# Altium PCB ct_mainpcb.PcbDoc (part 1 of 3)
Units mil, origin at the board's own origin, x right, y up, seen from the top; angles counter-clockwise.
Board outline 3320.87 x 2230 mil, 4 copper layers (Component Side, Ground Plane, Power Plane, Solder Side), stack 33.156 mil thick; 163 components, 169 nets, 876 pads, 286 vias.
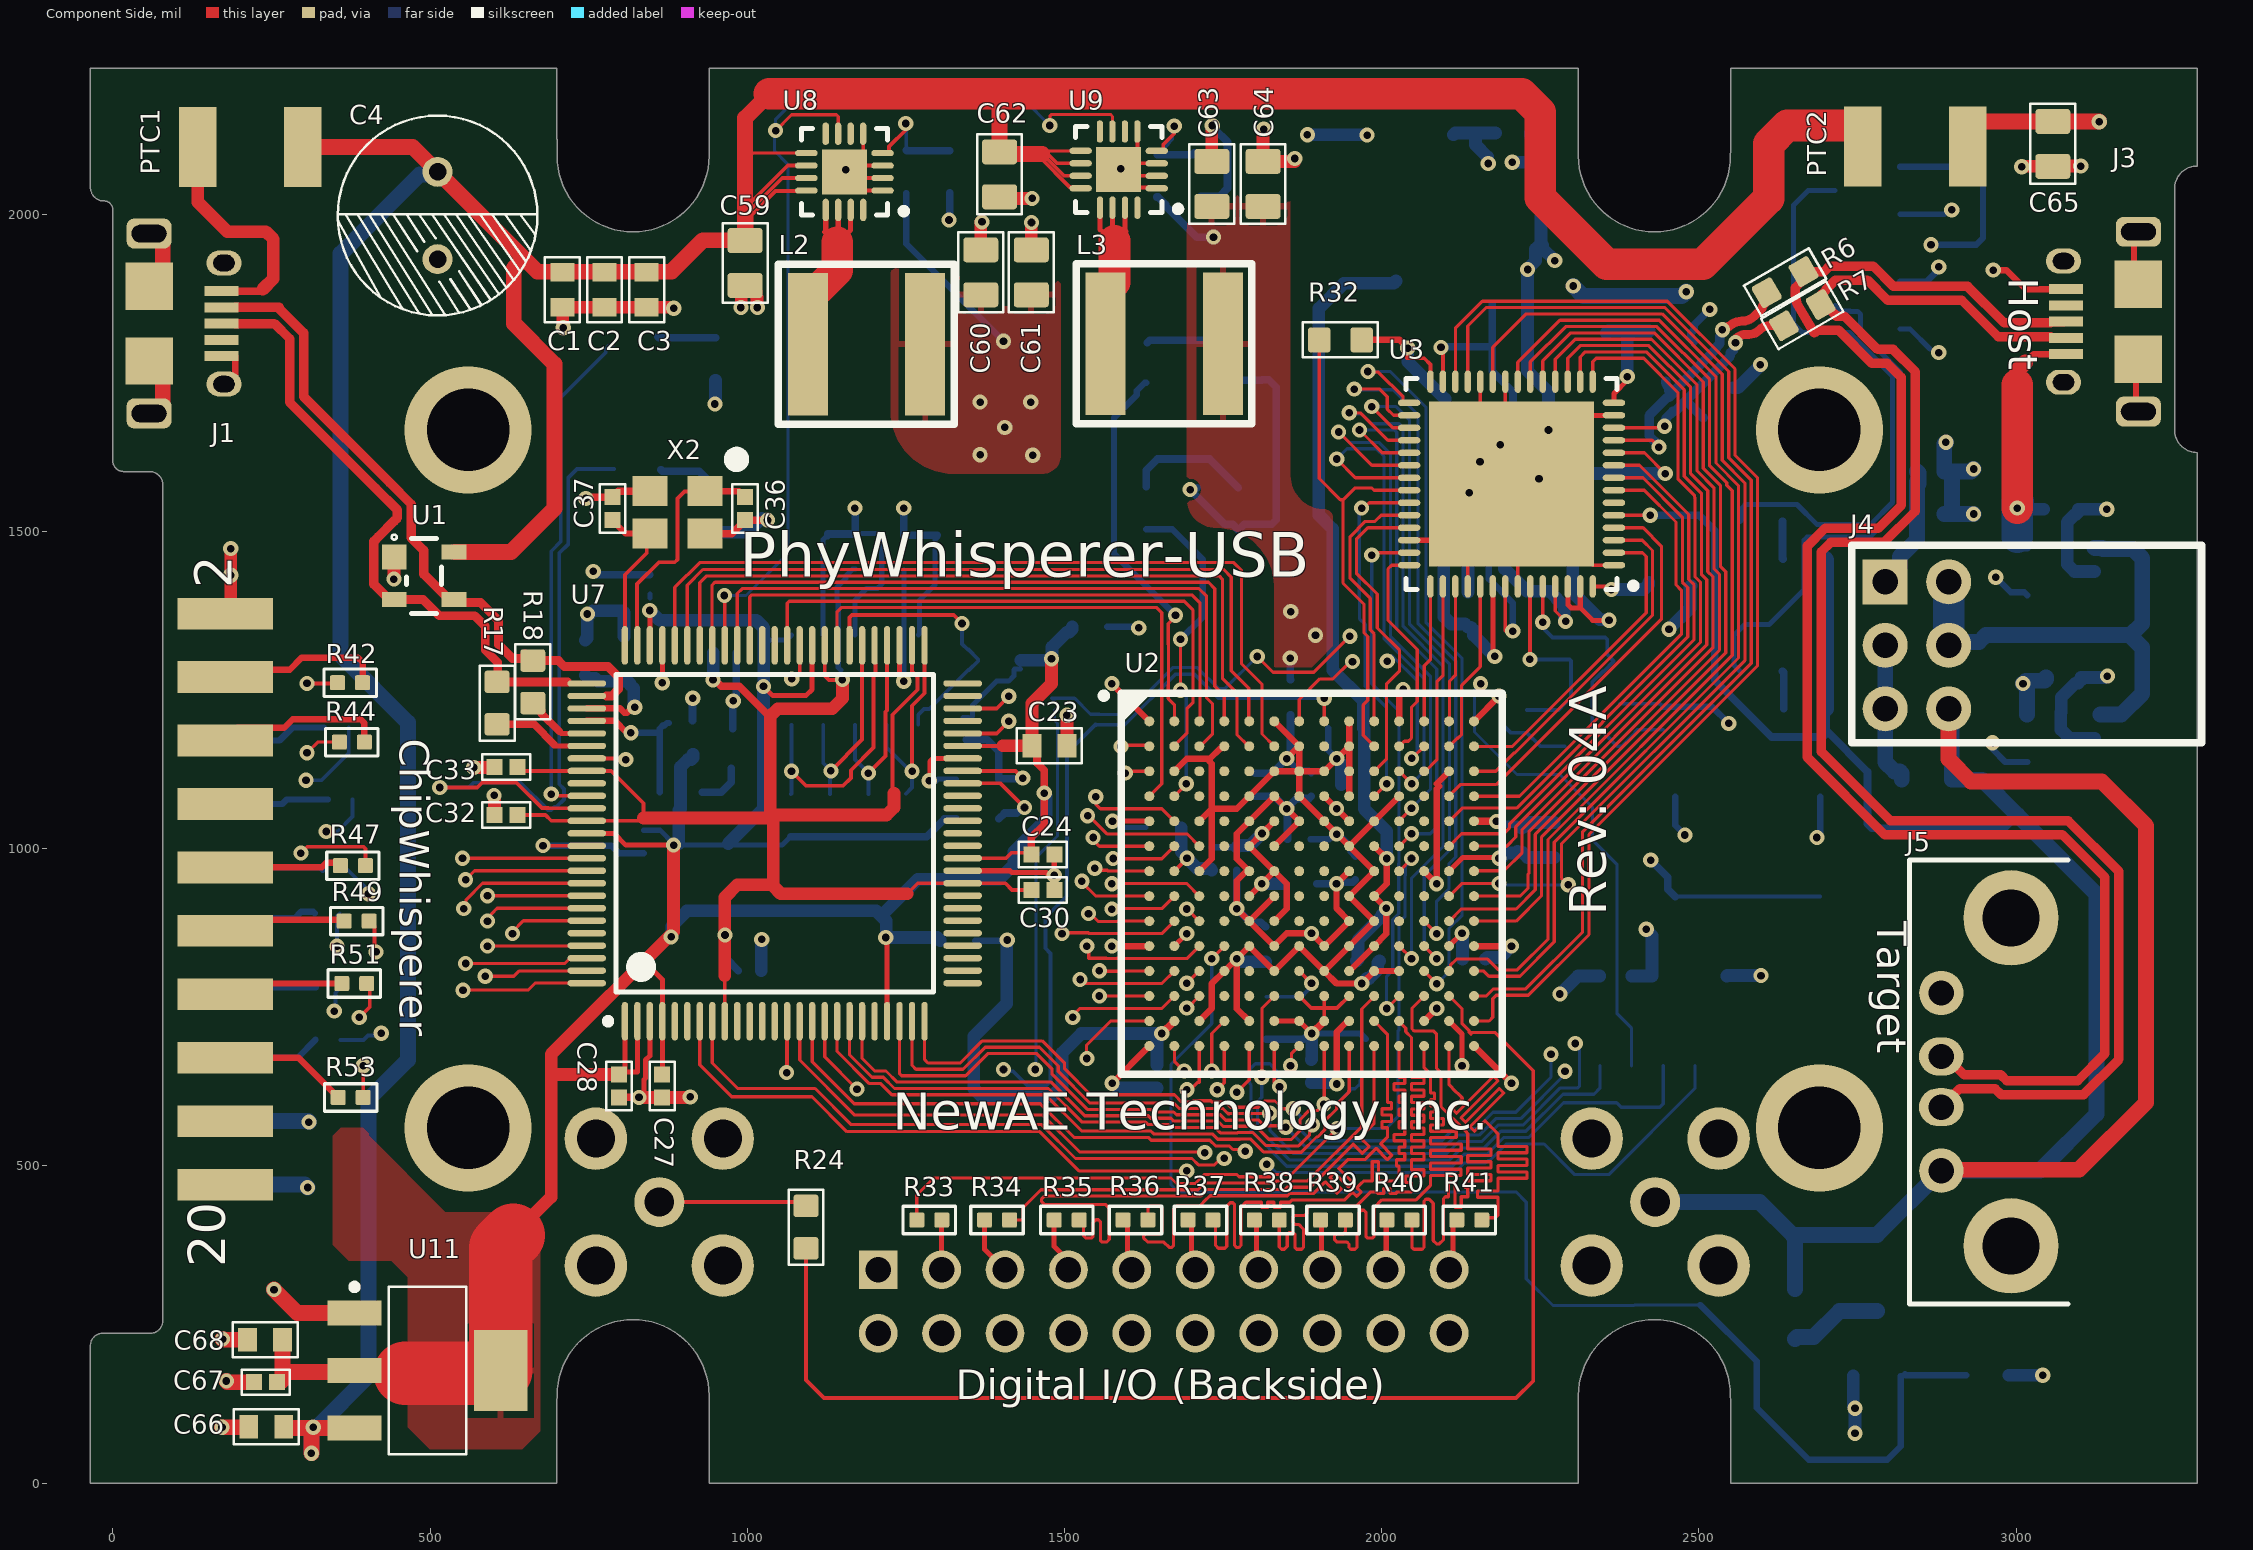
[diagram p0: Component Side view]
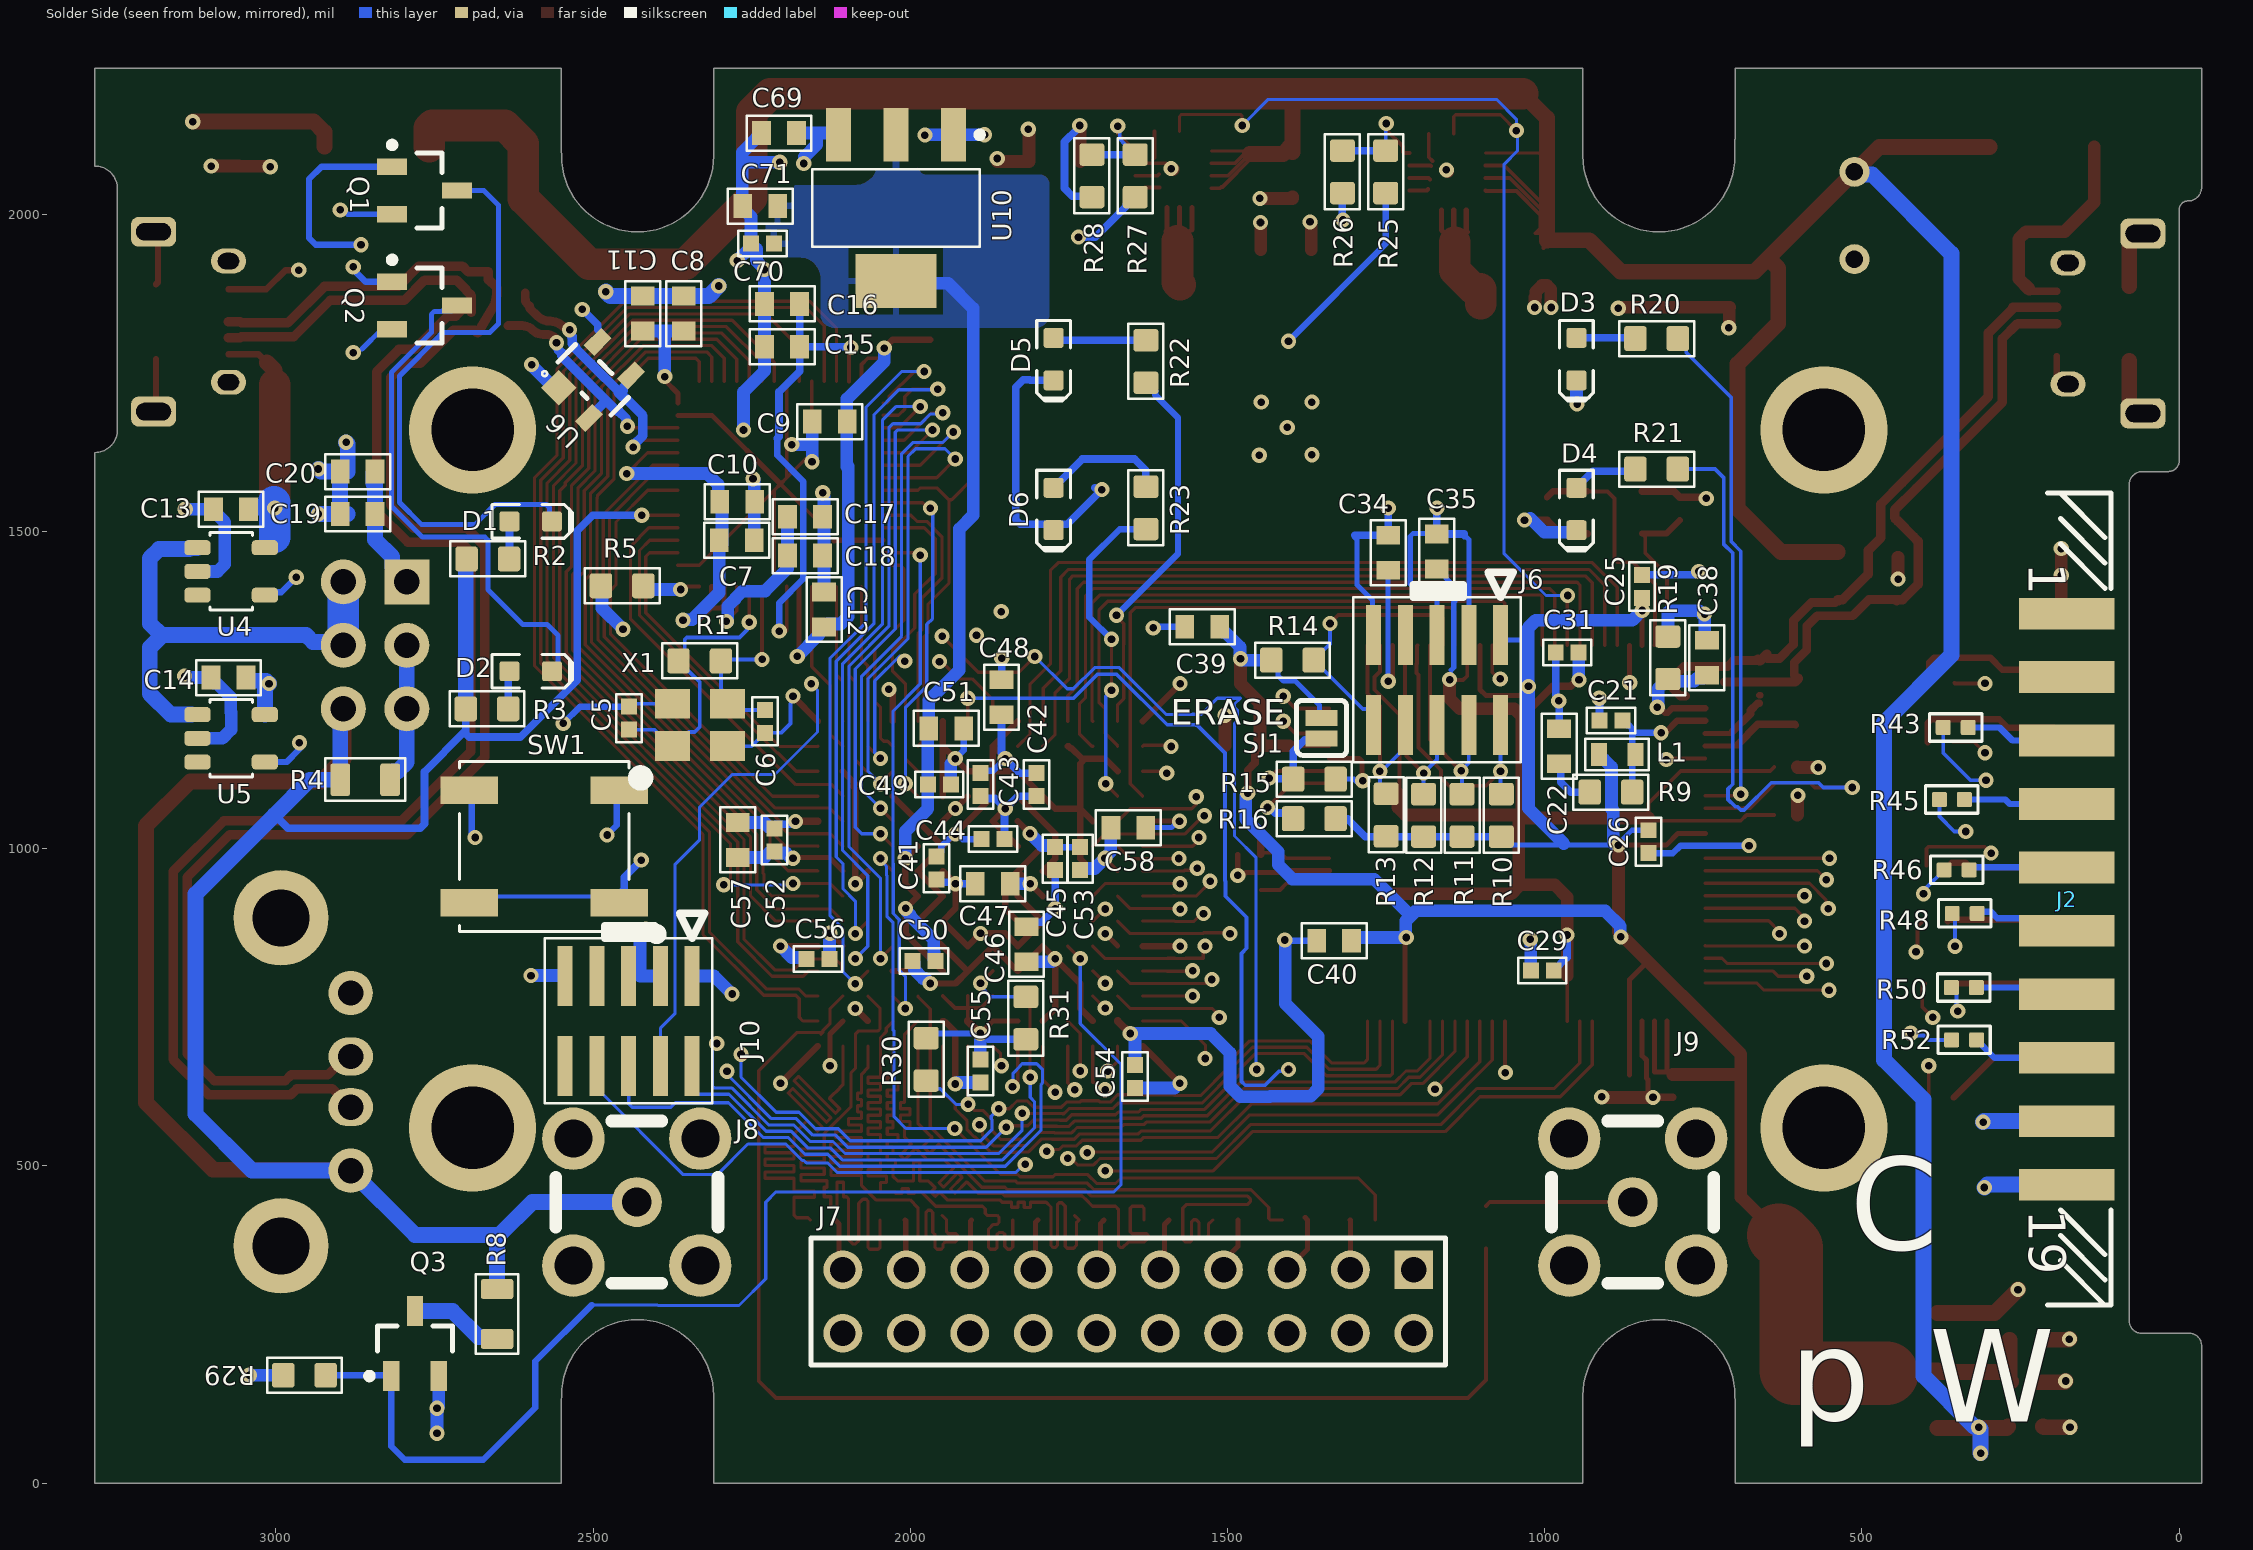
[diagram p1: Solder Side view, seen from below]
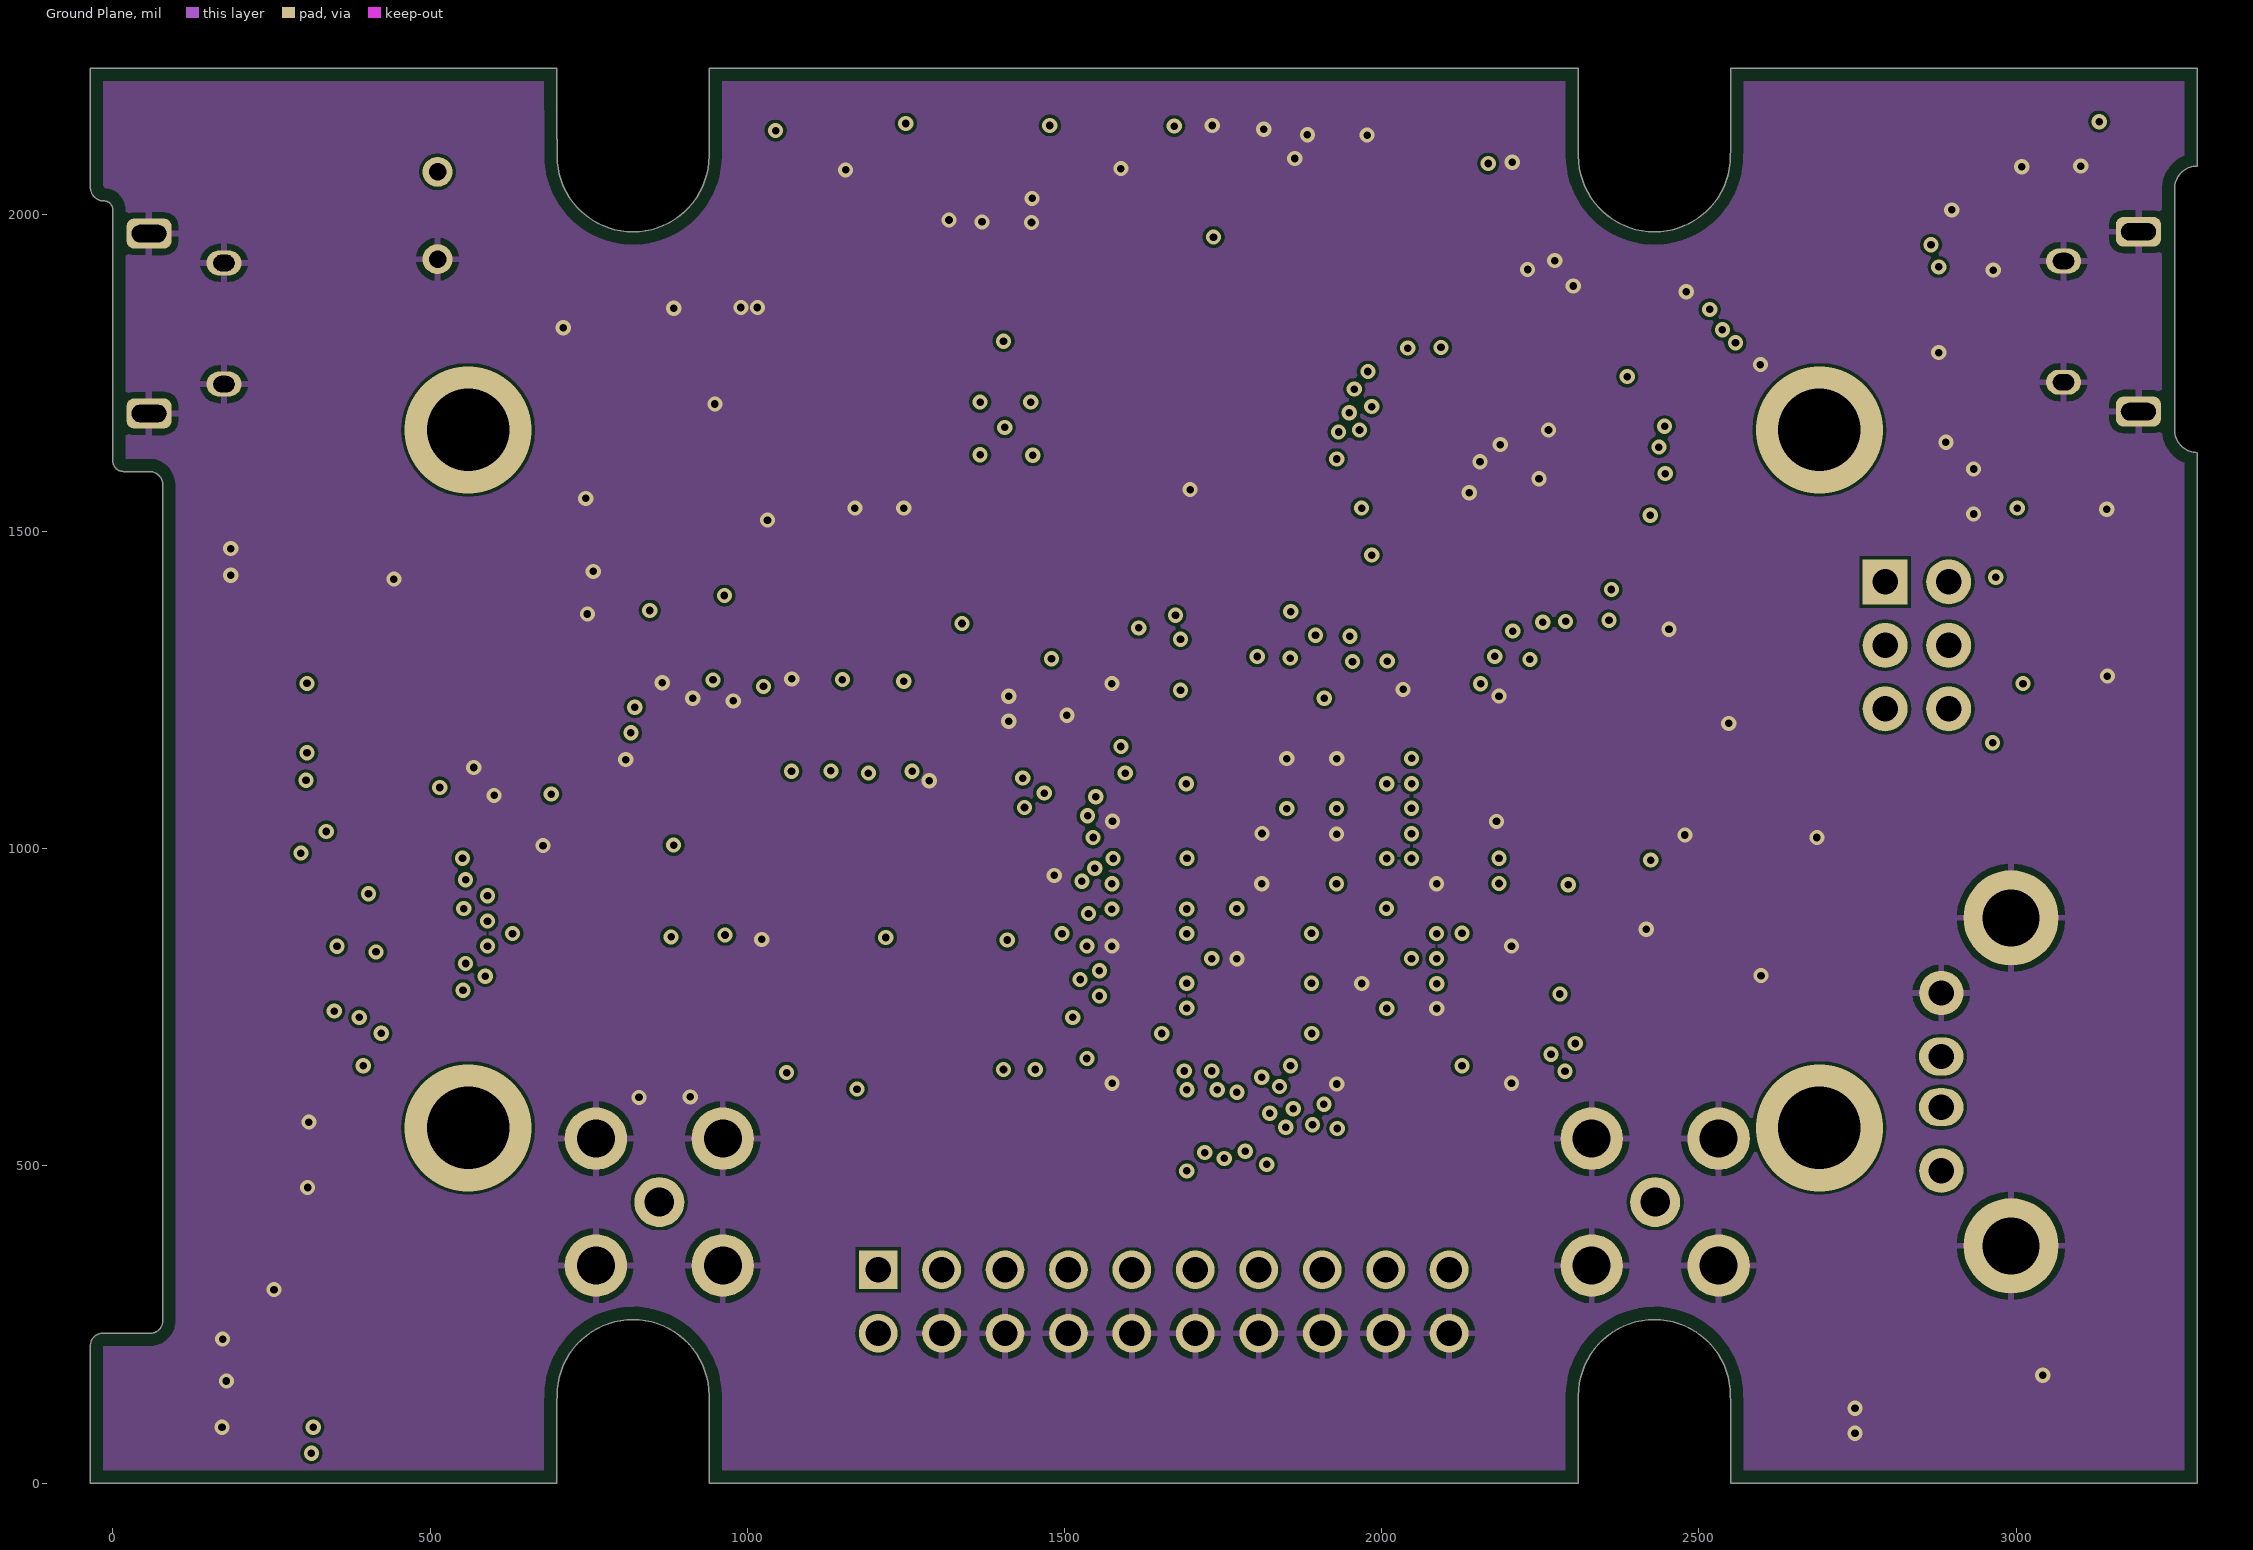
[diagram p2: Ground Plane]